# KiCad board CamTracker.kicad_pcb
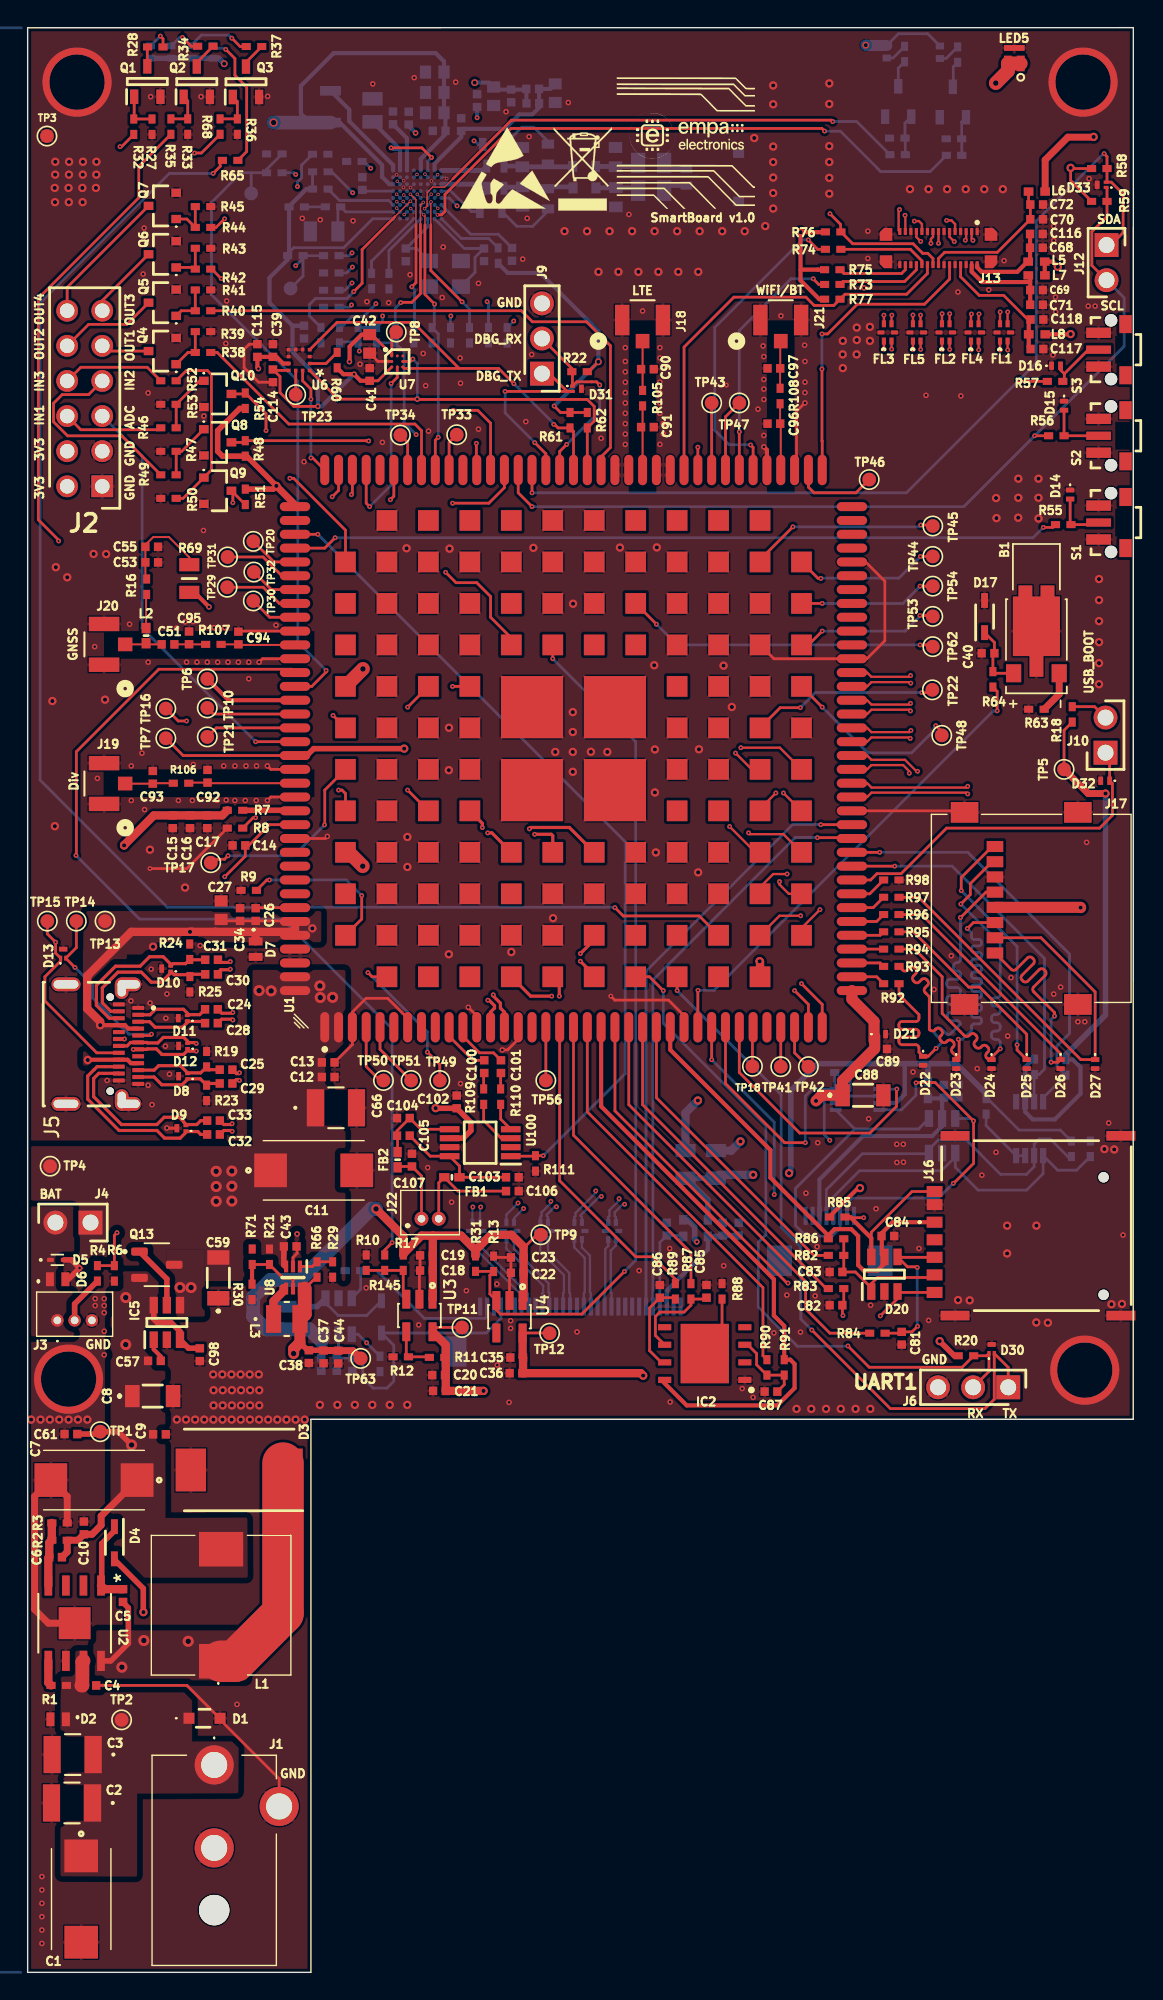
[diagram p0: board, top side]
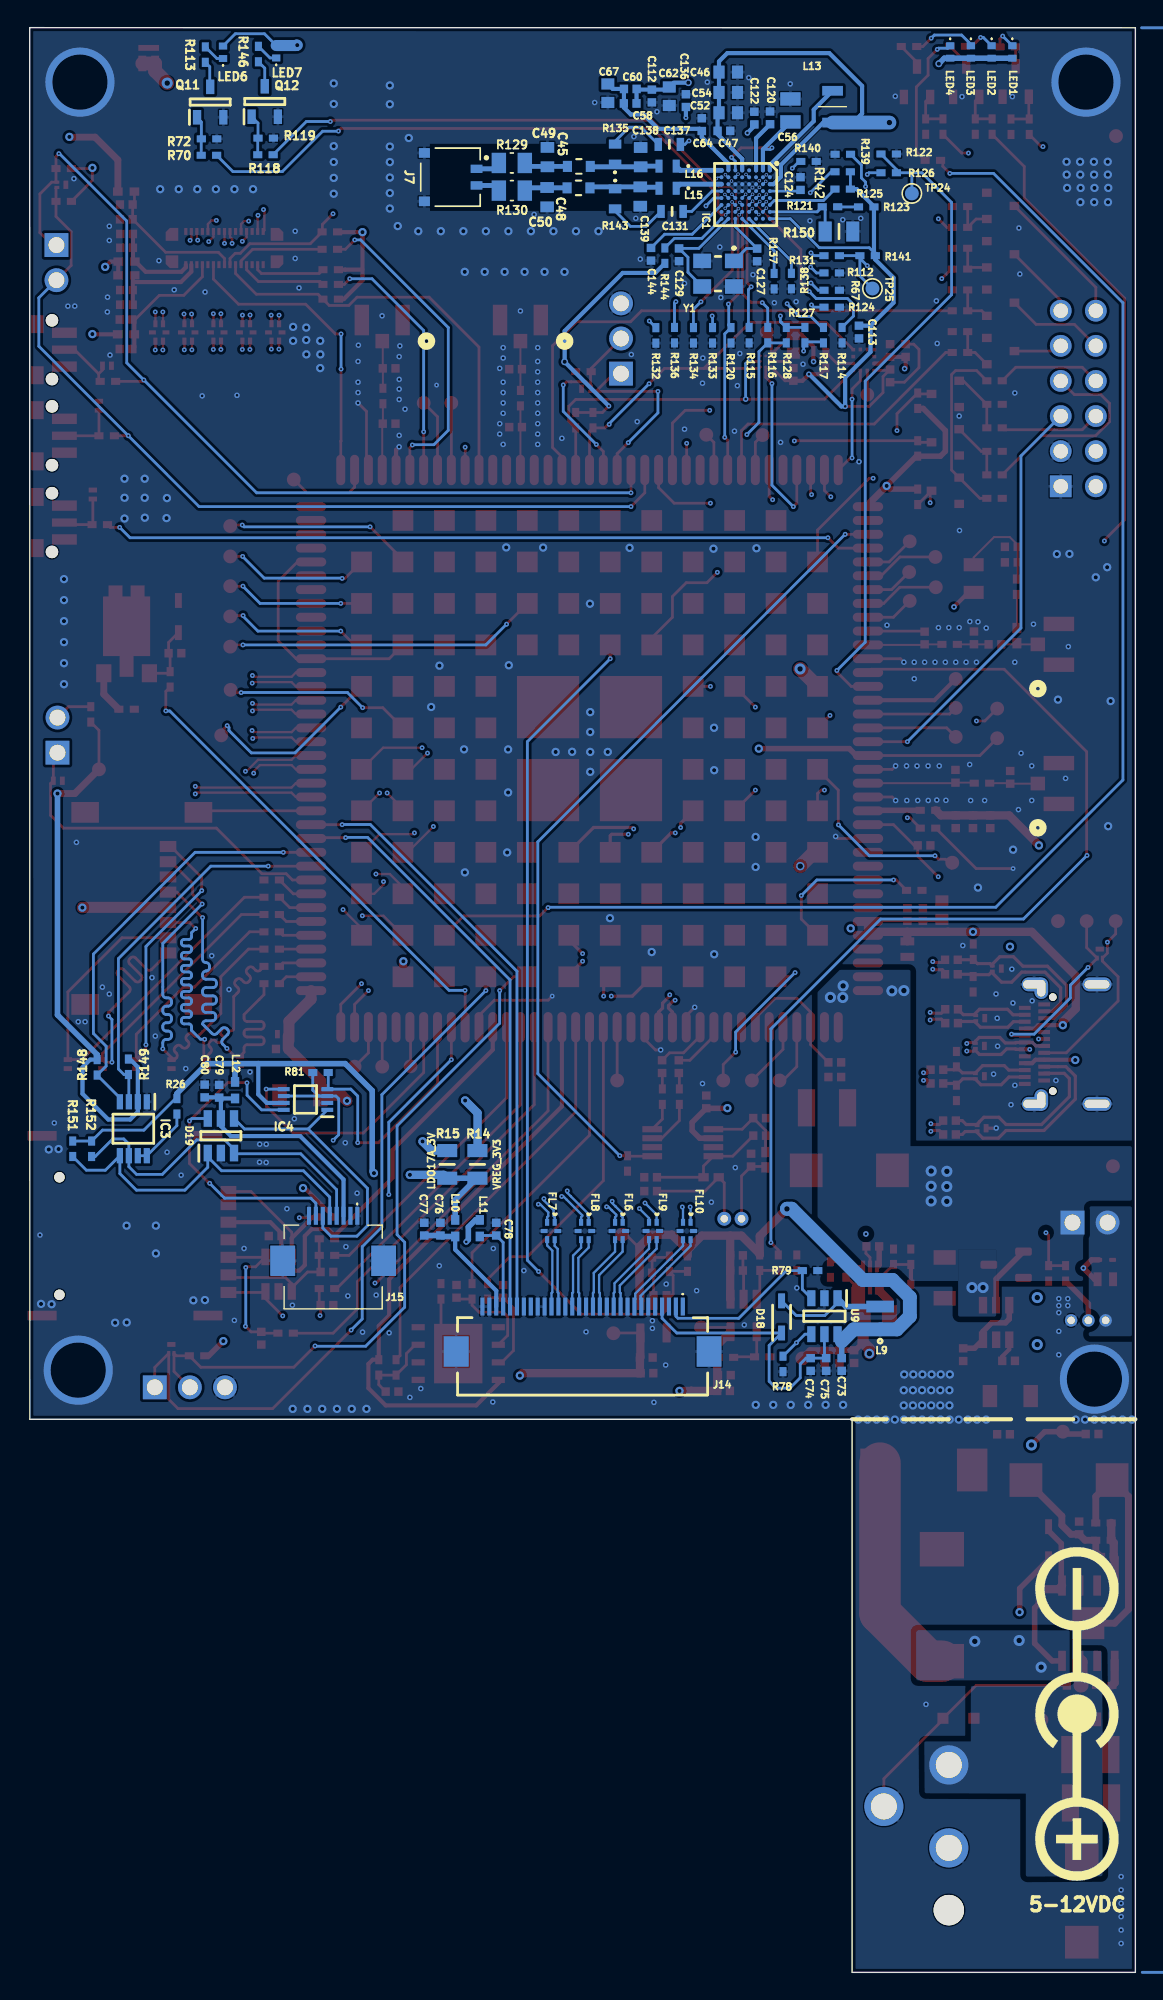
[diagram p1: board, bottom side, seen from below]

Outline 80.01 x 140.64 mm; copper layers: Top, GND1 (plane), Signal, GND2 (plane), PWR (plane), Bottom. Coordinates in mm from the lower left corner of the outline.
Outline path: 0,140.63 0,0 20.5,0 20.5,40 80,40 80.01,140.64 0,140.63
Stack: Top 0.035mm / dielectric 0.092mm 3313 RC57% 4.2mil er 4.1 / GND1 0.03mm / dielectric 0.3mm FR4 er 4.5 / Signal 0.03mm / dielectric 0.624mm 3x7628, RC 49%, 8.6 mil er 4.4 / GND2 0.03mm / dielectric 0.3mm FR4 er 4.5 / PWR 0.03mm / dielectric 0.092mm 3313 RC57% 4.2mil er 4.2 / Bottom 0.035mm

## Placement (name value [footprint] x y rotation side)
B1  HD-EMB1104-SM-2  [PUI_HD-EMB1104-SM-2]  73 95.9 90 top
C1  100uF 16V  [T495X]  3.88 5.3 270 top
C2  4.7uF 50V  [CAP_UMK325B7475MM-T_TAY]  3.21 12.25 180 top
C3  4.7uF 50V  [CAP_UMK325B7475MM-T_TAY]  3.26 15.75 180 top
C4  100nF 50V  [CAPC1005X55N]  4.5 20.75 0 top
C5  10nF 50V  [CAPC1005X55N]  6.9 27.25 270 top
C6  82pF 50V  [CAPC1005X55N]  2.02 30.03 180 top
C7  100uF 10V  [T495D]  4.8 35.6 180 top
C8  47uF 6.3V  [GRM31x]  9.05 41.68 0 top
C9  100nF 10V  [CAPC1005X55N]  9.54 38.91 0 top
C10  33pF 50V  [CAPC1005X55N]  4.07 32.14 90 top
C11  100uF 10V  [T495D]  20.7 58 0 top
C12  100nF 10V  [CAPC1005X55N]  21.75 64.75 0 top
C13  82pF 50V  [CAPC1005X55N]  21.75 65.81 0 top
C14  1nF 50V  [CAPC1005X55N]  15.29 81.5 0 top  (not fitted)
C15  22uF 6.3V  [CAPC1005X55N]  10.5 83.21 270 top
C16  1uF 50V  [CAPC1005X55N]  11.75 83.21 270 top
C17  33pF 50V  [CAPC1005X55N]  13 83.21 270 top
C18  1uF 50V  [CAPC1005X55N]  28.86 50.75 180 top
C19  100nF 10V  [CAPC1005X55N]  28.86 51.85 180 top
C20  1uF 50V  [CAPC1005X55N]  29.74 43.19 180 top
C21  100nF 10V  [CAPC1005X55N]  29.8 42.05 180 top
C22  1uF 50V  [CAPC1005X55N]  35.43 50.59 180 top
C23  100nF 10V  [CAPC1005X55N]  35.43 51.7 180 top
C24  220nF 10V  [CAPC1005X55N]  13.3 69.65 180 top
C25  330nF 10V  [CAPC1005X55N]  14.36 65.28 180 top
C26  100nF 10V  [CAPC1005X55N]  16.5 76.5 90 top
C27  4.7uF 10V  [CAPC1608X90N]  14 76.81 90 top
C28  220nF 10V  [CAPC1005X55N]  13.3 68.65 180 top
C29  330nF 10V  [CAPC1005X55N]  14.36 64.28 180 top
C30  330nF 10V  [CAPC1005X55N]  13.31 72.18 0 top
C31  330nF 10V  [CAPC1005X55N]  13.31 73.23 0 top
C32  220nF 10V  [CAPC1005X55N]  13.45 60.6 0 top
C33  220nF 10V  [CAPC1005X55N]  13.45 61.6 0 top
C34  1uF 50V  [CAPC1005X55N]  15.38 76.5 90 top
C35  1uF 50V  [CAPC1005X55N]  35.39 44.46 180 top
C36  100nF 10V  [CAPC1005X55N]  35.34 43.33 180 top
C37  1uF 50V  [CAPC1005X55N]  21.41 44.51 270 top
C38  100nF 10V  [CAPC1005X55N]  20.35 44.53 270 top
C39  100nF 10V  [CAPC1005X55N]  17.75 117.29 90 top
C40  1uF 50V  [CAPC1005X55N]  69.5 95.4 180 top
C41  1uF 50V  [CAPC1005X55N]  24.75 115.56 90 top
C42  4.7uF 10V  [CAPC1608X90N]  24.75 117.77 90 top
C43  10uF 6.3V  [CAPC1005X55N]  19 52.5 0 top
C44  10uF 6.3V  [CAPC1005X55N]  22.47 44.5 90 top
C45  47pF 50V  [CAP_CL10_SAM]  40.27 130.6 0 bottom
C46  4.7uF 10V  [CAPC1608X90N]  29.46 137.43 180 bottom
C47  1uF 50V  [CAPC1005X55N]  29.78 133.18 180 bottom
C48  47pF 50V  [CAP_CL10_SAM]  40.3 129.06 0 bottom
C49  200pF 50V  [CAPC1608X87N]  42.55 131.28 270 bottom
C50  200pF 50V  [CAPC1608X87N]  42.57 128.38 270 bottom
C51  100pF 50V  [CAPC1005X55N]  10.16 96.04 180 top
C52  4.7uF 10V  [CAPC1608X90N]  29.46 134.49 180 bottom
C53  1uF 50V  [CAPC1005X55N]  8.98 101.97 0 top
C54  4.7uF 10V  [CAPC1608X90N]  29.46 135.95 180 bottom
C55  100nF 10V  [CAPC1005X55N]  8.98 103.09 0 top
C56  22uF 25V  [CAPC2012X145N]  24.96 134.66 90 bottom
C57  100nF 10V  [CAPC1005X55N]  9.17 44.22 0 top
C58  220nF 10V  [CAPC1005X55N]  36.56 135.16 0 bottom
C59  47uF 6.3V  [GRM31x]  13.8 50.22 90 top
C60  100pF 50V  [CAPC1005X55N]  36.55 136.21 0 bottom
C61  22uF 6.3V  [CAPC1005X55N]  3.13 38.93 180 top
C62  4.7uF 10V  [CAPC1608X90N]  33.73 135.68 270 bottom
C64  100pF 50V  [CAPC1005X55N]  31.38 133.62 90 bottom
C66  4.7uF 50V  [CAP_UMK325B7475MM-T_TAY]  22.31 62.53 0 top
C67  4.7uF 10V  [CAPC1608X90N]  38.17 135.9 270 bottom
C68  4.7uF 6.3V  [CAPC1005X55N]  73 124.72 0 top
C69  100nF 10V  [CAPC1005X55N]  73.01 121.67 0 top
C70  1uF 50V  [CAPC1005X55N]  73.02 126.78 0 top
C71  4.7uF 6.3V  [CAPC1005X55N]  73.01 120.6 0 top
C72  100nF 10V  [CAPC1005X55N]  73.02 127.85 0 top
C73  1uF 50V  [CAPC1005X55N]  21.25 43.96 270 bottom
C74  1uF 50V  [CAPC1005X55N]  23.5 43.96 270 bottom
C75  1nF 50V  [CAPC1005X55N]  22.38 43.96 270 bottom
C76  4.7uF 6.3V  [CAPC1005X55N]  50.29 53.75 270 bottom
C77  100nF 10V  [CAPC1005X55N]  51.46 53.75 270 bottom
C78  1uF 50V  [CAPC1005X55N]  46.25 53.75 270 bottom
C79  4.7uF 6.3V  [CAPC1005X55N]  66.3 63.72 270 bottom
C80  100nF 10V  [CAPC1005X55N]  67.35 63.74 270 bottom
C81  22pF 50V  [CAPC1005X55N]  63.25 45.86 90 top
C82  22pF 50V  [CAPC1005X55N]  58.5 48.25 0 top
C83  22pF 50V  [CAPC1005X55N]  58.5 50.65 0 top
C84  100nF 10V  [CAPC1005X55N]  62.25 53.25 0 top
C85  22pF 50V  [CAPC1005X55N]  49.12 49.25 90 top
C86  22pF 50V  [CAPC1005X55N]  45.75 49.25 90 top
C87  22pF 50V  [CAPC1005X55N]  53.79 42 180 top
C88  47uF 6.3V  [GRM31x]  60.45 63.43 0 top
C89  33pF 50V  [CAPC1005X55N]  61.73 66.78 0 top
C90  33pF 50V  [CAPC1005X55N]  44.85 115.94 0 top  (not fitted)
C91  33pF 50V  [CAPC1005X55N]  44.85 111.75 0 top  (not fitted)
C92  33pF 50V  [CAPC1005X55N]  13.02 86.5 90 top  (not fitted)
C93  33pF 50V  [CAPC1005X55N]  9.06 86.42 90 top  (not fitted)
C94  33pF 50V  [CAPC1005X55N]  15.25 96.5 90 top  (not fitted)
C95  33pF 50V  [CAPC1005X55N]  11.68 96.51 90 top  (not fitted)
C96  33pF 50V  [CAPC1005X55N]  54 112 180 top  (not fitted)
C97  33pF 50V  [CAPC1005X55N]  54 116 180 top  (not fitted)
C98  22pF 50V  [CAPC1005X55N]  12.46 44.67 270 top
C100  10uF 6.3V  [CAPC1005X55N]  33.04 65.5 270 top
C101  10uF 6.3V  [CAPC1005X55N]  34.25 65.5 270 top
C102  22uF 6.3V  [CAPC1005X55N]  31.05 62.95 90 top
C103  33pF 50V  [CAPC1005X55N]  35.08 57.5 180 top
C104  33pF 50V  [CAPC1005X55N]  27.19 61.78 0 top
C105  100pF 50V  [CAPC1005X55N]  27.19 60.51 180 top
C106  33pF 50V  [CAPC1005X55N]  35.08 56.5 180 top
C107  33pF 50V  [CAPC1005X55N]  27.81 58.74 270 top
C112  100pF 50V  [CAPC1005X55N]  34.99 135.7 270 bottom
C113  100nF 10V  [CAPC1005X55N]  20 118.62 270 bottom
C114  100nF 10V  [CAPC1005X55N]  17.75 115.46 270 top
C115  10uF 6.3V  [CAPC1005X55N]  16.62 117.29 90 top
C116  100nF 10V  [CAPC1005X55N]  73 125.72 0 top
C117  100nF 10V  [CAPC1005X55N]  73.04 117.4 0 top
C118  1uF 50V  [CAPC1005X55N]  73.04 119.53 0 top
C120  220nF 10V  [CAPC1005X55N]  26.44 134.12 90 bottom
C122  100nF 10V  [CAPC1005X55N]  27.58 134.1 270 bottom
C124  220nF 10V  [CAPC1005X55N]  24.23 129.37 90 bottom
C127  10pF 50V  [CAPC1005X55N]  27.37 124.2 270 bottom
C129  10pF 50V  [CAPC1005X55N]  33.02 124.22 270 bottom
C131  1000pF 50V  [CAPC1608X80N]  33.53 127.35 0 bottom
C136  220nF 10V  [CAPC1005X55N]  32.53 135.36 90 bottom
C137  1000pF 50V  [CAPC1608X80N]  33.72 132.2 0 bottom
C138  750pF 50V  [CAPC1608X87N]  35.8 131.28 270 bottom
C139  750pF 50V  [CAPC1608X87N]  35.83 128.43 270 bottom
C144  100nF 10V  [CAPC1005X55N]  35.05 124.25 270 bottom
D1  SD12C.TCT  [SD12CTCT]  12.8 18.38 0 top
D2  SC1105-01UTG  [SC110501UTG]  2.21 18.3 180 top
D3  B550C-13-F  [DIOM7959X250N]  15.31 36.33 180 top
D4  B140WS-7  [SOD2513X120N]  6.28 31.07 270 top
D5  ESD9B5.0ST5G  [SODFL1006X40N]  2.15 51.53 0 top
D6  SC1105-01UTG  [SC110501UTG]  2.17 50.12 0 top
D7  SC1105-01UTG  [SC110501UTG]  16.5 74 270 top
D8  SP0402U-ULC-02ETG  [SESD0402Q2UG0020090]  11.25 64.81 90 top
D9  SP0402U-ULC-02ETG  [SESD0402Q2UG0020090]  11.12 61.05 90 top
D10  SP0402U-ULC-02ETG  [SESD0402Q2UG0020090]  10.03 72.59 90 top
D11  SP0402U-ULC-02ETG  [SESD0402Q2UG0020090]  11.22 69.01 90 top
D12  SP0402U-ULC-02ETG  [SESD0402Q2UG0020090]  11.25 67 90 top
D13  SP0402U-ULC-02ETG  [SESD0402Q2UG0020090]  2.58 73.67 0 top
D14  SC1205-01ETG  [SC120501ETG]  75.44 106.88 270 top
D15  SC1205-01ETG  [SC120501ETG]  75 113.3 270 top
D16  SC1205-01ETG  [SC120501ETG]  74.42 116.19 0 top
D17  B140WS-7  [SOD2513X120N]  69.25 98.05 90 top
D18  B140WS-7  [SOD2513X120N]  25.6 47.4 90 bottom
D19  SRV05-4.TCT  [SOT95P280X145-6N]  66.17 60.5 90 bottom
D20  SRV05-4.TCT  [SOT95P280X145-6N]  62 50.49 90 top
D21  SC1205-01ETG  [SC120501ETG]  61.76 67.85 0 top
D22  SC1205-01ETG  [SC120501ETG]  64.8 65.92 270 top
D23  SC1205-01ETG  [SC120501ETG]  67.2 65.68 270 top
D24  SC1205-01ETG  [SC120501ETG]  69.75 65.68 270 top
D25  SC1205-01ETG  [SC120501ETG]  72.3 65.68 270 top
D26  SC1205-01ETG  [SC120501ETG]  74.75 65.68 270 top
D27  SC1205-01ETG  [SC120501ETG]  77.25 65.68 270 top
D30  SP0402U-ULC-02ETG  [SESD0402Q2UG0020090]  69.76 45.09 0 top
D31  SP0402U-ULC-02ETG  [SESD0402Q2UG0020090]  39.75 114.53 270 top
D32  SC1205-01ETG  [SC120501ETG]  77.97 86.17 180 top
D33  SP0402U-ULC-02ETG  [SESD0402Q2UG0020090]  77.72 129.28 90 top
FB1  110Ohm 1200mA  [BEADC1005X55N]  30.7 57.5 180 top
FB2  110Ohm 1200mA  [BEADC1005X55N]  26.77 58.77 270 top
FL1  -  [LCFE121002A900TG]  70.64 118.59 0 top
FL2  -  [LCFE121002A900TG]  66.44 118.59 0 top
FL3  -  [LCFE121002A900TG]  62.24 118.59 0 top
FL4  -  [LCFE121002A900TG]  68.54 118.59 0 top
FL5  -  [LCFE121002A900TG]  64.34 118.59 0 top
FL6  -  [LCFE121002A900TG]  37.38 53.62 0 bottom
FL7  -  [LCFE121002A900TG]  42.29 53.62 0 bottom
FL8  -  [LCFE121002A900TG]  39.84 53.62 0 bottom
FL9  -  [LCFE121002A900TG]  34.92 53.62 0 bottom
FL10  -  [LCFE121002A900TG]  32.46 53.62 0 bottom
IC1  PN7220  [BGA64C50P8X8_450X450X90]  28.2 128.57 270 bottom
IC2  ST4SI2M0020TPIFW  [SON127P600X500X100-9N]  49 44.75 180 top
IC3  PCA9306DCTT  [SOP65P400X130-8N]  72.51 61.01 270 bottom
IC4  TXS0102DCUR  [SOP50P310X90-8N]  60.05 63.12 0 bottom
IC5  LM74700QDBVRQ1  [SOT95P280X145-6N]  10.08 47 90 top
J1  PJ-059A  [PJ059A]  13.5 15 90 top
J2  10-89-7121  [HDRV12W87P254X254_2X6]  5.4 107.47 90 top
J3  53047-0310  [530470310]  2.15 47.15 180 top
J4  67996-100HLF  [HDRV2W67P254_2X1_254X483X858P]  4.55 54.22 90 top
J5  USB4080-03-A  [GCT_USB4080-03-A_REVA]  7.33 67.13 270 top
J6  22-28-4034  [HDRV3W66P0X254_1X3_762X249X1042P]  70.96 42.31 180 top
J7  -  [BM02B-ACHSS-GAN-TF]  49.56 129.83 270 bottom
J9  22-28-4034  [HDRV3W66P0X254_1X3_762X249X1042P]  37.22 115.62 90 top
J10  67996-100HLF  [HDRV2W67P254_2X1_254X483X858P]  78 88.2 0 top
J12  67996-100HLF  [HDRV2W67P254_2X1_254X483X858P]  78.07 124.92 180 top
J13  YXT-BB10-30S-02  [YXT_YXT-BB10-30S-02]  65.91 124.7 180 top
J14  FH12S-30S-0.5SH_55_  [FH12S30S05SH55]  40 46 0 bottom
J15  FH12-8S-0.5SH_55_  [FH128S05SH55]  58.05 51.35 180 bottom
J16  SIM8066-6-1-14-01-A  [SIM8066611401A]  73 54 90 top
J17  MEM2067-02-180-00-A  [MEM20670218000A]  67.8 76.94 270 top
J18  636101112001  [COAX2_636101112001_WRE]  44.5 119.5 0 top
J19  636101112001  [COAX2_636101112001_WRE]  5.53 85.98 90 top
J20  636101112001  [COAX2_636101112001_WRE]  5.53 96.04 90 top
J21  636101112001  [COAX2_636101112001_WRE]  54.5 119.5 0 top
J22  53047-0210  [530470210]  28.5 54.5 180 top
L1  NS10155T150MNA  [NS10165T220MNA]  14 26.55 90 top
L2  56nH  [INDC1005X60N]  8.57 96.67 270 top
L3  1uH 2.2A  [IND_WE-LQS_2512_WRE]  18.75 47.25 0 top
L5  600ohm 100MHz  [0402]  73 123.72 0 top
L6  70ohm 100MHz  [0402]  73.03 128.78 0 top
L7  600ohm 100MHz  [0402]  73.01 122.73 0 top
L8  600ohm 100MHz  [0402]  73.04 118.46 0 top
L9  22uH 1.364ohm 0.46A  [VLS2520]  18.47 47.33 90 bottom
L10  600ohm 100MHz  [0402]  49.22 53.82 270 bottom
L11  600ohm 100MHz  [0402]  47.44 53.82 270 bottom
L12  600ohm 100MHz  [0402]  65.15 63.8 270 bottom
L13  1.0uH 1.6A  [LQM2HPN1R0MG0L]  21.91 134.93 270 bottom
L15  160nH 1A  [LQW18CNR16J00D]  33.85 129.03 0 bottom
L16  160nH 1A  [LQW18CNR16J00D]  33.85 130.62 0 bottom
LED1  SML-P11VTT86R  [SMLP11VTT86R]  8.9 138.88 0 bottom
LED2  SML-P11YTT86R  [SMLP11VTT86R]  10.4 138.88 0 bottom
LED3  SML-P11DTT86R  [SMLP11VTT86R]  11.9 138.88 0 bottom
LED4  SML-P11VTT86R  [SMLP11VTT86R]  13.4 138.88 0 bottom
LED5  -  [LTPL-C0676WPGB]  71.36 138.05 90 top
LED6  SML-P11VTT86R  [SMLP11VTT86R]  66.02 138.86 180 bottom
LED7  SML-P11YTT86R  [SMLP11VTT86R]  62.17 138.9 180 bottom
Q1  BC847C,215  [SOT95P230X110-3N]  8.66 136.75 90 top
Q2  BC847C,215  [SOT95P230X110-3N]  12.24 136.74 90 top
Q3  BC847C,215  [SOT95P230X110-3N]  15.8 136.72 90 top
Q4  BC817-40,215  [BC81740215]  9.75 117.25 90 top
Q5  BC817-40,215  [BC81740215]  9.75 120.75 90 top
Q6  BC817-40,215  [BC81740215]  9.75 124.25 90 top
Q7  BC817-40,215  [BC81740215]  9.75 127.75 90 top
Q8  BC817-40,215  [BC81740215]  13.75 110.65 270 top
Q9  BC817-40,215  [BC81740215]  13.75 107.15 270 top
Q10  BC817-40,215  [BC81740215]  13.75 114.15 270 top
Q11  BC847C,215  [SOT95P230X110-3N]  66.95 135.26 90 bottom
Q12  BC847C,215  [SOT95P230X110-3N]  63 135.3 90 bottom
Q13  AO3400A  [SOT95P280X125-3N]  9.35 51.17 0 top
R1  100K  [RC0402N_YAG]  2.25 20.75 180 top
R2  100K  [RC0402N_YAG]  2.31 31.25 180 top
R3  43K  [RC0402N_YAG]  2.31 32.5 0 top
R4  0R  [RC0402N_YAG]  5.05 50.55 90 top
R6  47K  [RC0402N_YAG]  6.28 50.55 270 top
R7  0R  [RC0402N_YAG]  15.01 84.04 180 top
R8  0R  [RC0402N_YAG]  15.01 82.75 180 top
R9  0R  [RC0402N_YAG]  16 78.25 180 top  (not fitted)
R10  10K  [RC0402N_YAG]  24.5 51.32 90 top
R11  147K  [RC0402N_YAG]  29.63 44.47 180 top
R12  47K  [RC0402N_YAG]  27 44.51 180 top
R13  10K  [RC0402N_YAG]  33.72 51.24 90 top
R14  0R  [RESC2012X50N]  47.61 58.43 270 bottom
R15  0R  [RESC2012X50N]  49.8 58.43 270 bottom  (not fitted)
R16  10R  [RC0402N_YAG]  8.61 100.21 90 top
R17  10K  [RC0402N_YAG]  27.18 51.32 270 top  (not fitted)
R18  10K  [RC0402N_YAG]  75.59 90.97 270 top
R19  220K  [RC0402N_YAG]  12.95 66.04 90 top
R20  10K  [RC0402N_YAG]  67.9 44.59 0 top  (not fitted)
R21  10K  [RC0402N_YAG]  17.5 51.75 270 top  (not fitted)
R22  10K  [RC0402N_YAG]  39.94 115.76 180 top  (not fitted)
R23  220K  [RC0402N_YAG]  12.95 63.6 270 top
R24  220K  [RC0402N_YAG]  11.73 73.81 270 top
R25  220K  [RC0402N_YAG]  11.74 71.46 90 top
R26  200K  [RC0402N_YAG]  69.36 62.63 270 bottom
R27  10K  [RC0402N_YAG]  9 133.47 90 top
R28  1K  [RC0402N_YAG]  9.24 139.25 180 top
R29  44K2  [RC0402N_YAG]  22.07 50.83 270 top
R30  10K  [RC0402N_YAG]  16.24 49.21 270 top
R31  10K  [RC0402N_YAG]  32.41 51.25 270 top  (not fitted)
R32  10K  [RC0402N_YAG]  7.68 133.47 270 top
R33  10K  [RC0402N_YAG]  11.58 133.48 90 top
R34  1K  [RC0402N_YAG]  12.86 139.3 0 top
R35  10K  [RC0402N_YAG]  10.36 133.48 270 top
R36  10K  [RC0402N_YAG]  15.17 133.48 90 top
R37  1K  [RC0402N_YAG]  16.38 139.28 0 top
R38  1K  [RC0402N_YAG]  12.69 117.15 0 top
R39  10K  [RC0402N_YAG]  12.69 118.66 180 top
R40  1K  [RC0402N_YAG]  12.69 120.16 0 top
R41  10K  [RC0402N_YAG]  12.69 121.67 180 top
R42  1K  [RC0402N_YAG]  12.69 123.18 0 top
R43  10K  [RC0402N_YAG]  12.69 124.69 180 top
R44  1K  [RC0402N_YAG]  12.69 126.19 0 top
R45  10K  [RC0402N_YAG]  12.69 127.7 180 top
R46  10K  [RC0402N_YAG]  10.19 111.7 180 top
R47  10K  [RC0402N_YAG]  10.19 110 0 top
R48  10K  [RC0402N_YAG]  15.75 110.21 90 top
R49  10K  [RC0402N_YAG]  10.19 108.3 180 top
R50  10K  [RC0402N_YAG]  10.19 106.6 0 top
R51  10K  [RC0402N_YAG]  15.75 106.71 270 top
R52  10K  [RC0402N_YAG]  10.19 115.1 180 top
R53  10K  [RC0402N_YAG]  10.19 113.4 0 top
R54  10K  [RC0402N_YAG]  15.75 113.66 90 top
R55  1K  [RC0402N_YAG]  74.94 104.7 0 top
R56  1K  [RC0402N_YAG]  74.44 111.12 0 top
R57  1K  [RC0402N_YAG]  74.35 115.06 0 top
R58  10K  [RC0402N_YAG]  77.55 130.45 0 top  (not fitted)
R59  10K  [RC0402N_YAG]  77.55 128.07 0 top  (not fitted)
R60  33R  [RC0402N_YAG]  22.4 116.6 270 top
R61  2K2  [RC0402N_YAG]  39.25 112.25 90 top
R62  2K2  [RC0402N_YAG]  40.5 112.25 90 top
R63  0R  [RC0402N_YAG]  73 91.35 180 top
R64  0R  [RC0402N_YAG]  69.85 93.51 270 top
R65  2K2  [RC0402N_YAG]  14.66 131.04 180 top
R66  200K  [RC0402N_YAG]  20.94 50.83 90 top
R67  10K  [RC0402N_YAG]  21.97 121.65 180 bottom
R68  10K  [RC0402N_YAG]  13.92 133.48 270 top
R69  0R  [RESC2012X50N]  11.7 100.8 90 top
R70  10K  [RC0402N_YAG]  67.04 131.41 180 bottom
R71  0R  [RC0402N_YAG]  16.25 51.75 90 top
R72  10K  [RC0402N_YAG]  67.03 132.6 0 bottom
R73  0R  [RC0402N_YAG]  58.23 122.07 180 top
R74  0R  [RC0402N_YAG]  58.29 124.61 180 top
R75  10K  [RC0402N_YAG]  58.23 123.14 0 top
R76  2K2  [RC0402N_YAG]  58.29 125.87 180 top
R77  2K2  [RC0402N_YAG]  58.23 121 180 top
R78  10K  [RC0402N_YAG]  25.5 44 270 bottom
R79  2R4  [RC0402N_YAG]  23.54 50.75 180 bottom
R81  4K7  [RC0402N_YAG]  58.97 65.08 180 bottom  (not fitted)
R82  22R  [RC0402N_YAG]  58.5 51.85 180 top
R83  22R  [RC0402N_YAG]  58.5 49.45 180 top
R84  22R  [RC0402N_YAG]  61.49 46.22 180 top
R85  100K  [RC0402N_YAG]  58.59 54.62 0 top
R86  10K  [RC0402N_YAG]  58.5 53.05 0 top
R87  22R  [RC0402N_YAG]  48 49.25 90 top
R88  0R  [RC0402N_YAG]  50.25 49.25 270 top
R89  22R  [RC0402N_YAG]  46.88 49.25 90 top
R90  22R  [RC0402N_YAG]  53.5 43.75 90 top
R91  10K  [RC0402N_YAG]  54.75 43.75 90 top
R92  33R  [RC0402N_YAG]  62.5 71.5 180 top
R93  33R  [RC0402N_YAG]  62.5 72.75 180 top
R94  33R  [RC0402N_YAG]  62.5 74 180 top
R95  33R  [RC0402N_YAG]  62.5 75.25 180 top
R96  33R  [RC0402N_YAG]  62.5 76.5 180 top
R97  33R  [RC0402N_YAG]  62.5 77.75 180 top
R98  1K  [RC0402N_YAG]  62.5 79 0 top
R105  0R  [RC0402N_YAG]  44.5 113.85 270 top
R106  0R  [RC0402N_YAG]  11.1 86 0 top
R107  0R  [RC0402N_YAG]  13.44 96.04 0 top
R108  0R  [RC0402N_YAG]  54.45 114 270 top
R109  10K  [RC0402N_YAG]  33 63.33 90 top
R110  10K  [RC0402N_YAG]  34.23 63.33 90 top
R111  10K  [RC0402N_YAG]  36.75 58.5 270 top
R112  10K  [RC0402N_YAG]  21.97 122.9 180 bottom
R113  1K  [RC0402N_YAG]  67.3 138.69 270 bottom
R114  0R  [RC0402N_YAG]  21.22 118.4 270 bottom
R115  0R  [RC0402N_YAG]  27.95 118.4 270 bottom
R116  0R  [RC0402N_YAG]  26.61 118.4 270 bottom
R117  0R  [RC0402N_YAG]  22.57 118.4 270 bottom
R118  10K  [RC0402N_YAG]  62.95 131.45 180 bottom
R119  10K  [RC0402N_YAG]  62.93 132.65 0 bottom
R120  10K  [RC0402N_YAG]  29.26 118.39 90 bottom
R121  0R  [RC0402N_YAG]  22.1 127.69 180 bottom
R122  10K  [RC0402N_YAG]  17.85 131.5 180 bottom
R123  10K  [RC0402N_YAG]  19.47 127.67 180 bottom
R124  10K  [RC0402N_YAG]  21.97 120.42 180 bottom
R125  10K  [RC0402N_YAG]  21.18 128.97 0 bottom
R126  0R  [RC0402N_YAG]  17.85 130.15 180 bottom
R127  2K2  [RC0402N_YAG]  23.92 118.4 90 bottom
R128  2K2  [RC0402N_YAG]  25.26 118.4 90 bottom
R129  0.02R 1/4W  [RESC2012X70N]  45.12 130.85 180 bottom
R130  0.02R 1/4W  [RESC2012X70N]  45.12 128.85 180 bottom
R131  0R  [RC0402N_YAG]  21.97 124.15 180 bottom
R132  10K  [RC0402N_YAG]  34.7 118.38 270 bottom
R133  10K  [RC0402N_YAG]  30.6 118.39 270 bottom
R134  10K  [RC0402N_YAG]  31.98 118.39 270 bottom
R135  1K5  [ERJ3EKF1000V]  37.65 131.5 90 bottom  (not fitted)
R136  10K  [RC0402N_YAG]  33.35 118.4 270 bottom
R137  10K  [RC0402N_YAG]  26.14 122.31 270 bottom
R138  10K  [RC0402N_YAG]  24.89 122.31 270 bottom
R139  10K  [RC0402N_YAG]  21.17 131.49 0 bottom
R140  10K  [RC0402N_YAG]  23.65 130.97 180 bottom
R141  10K  [RC0402N_YAG]  19.38 124.15 0 bottom
R142  10K  [RC0402N_YAG]  21.18 130.22 0 bottom
R143  1K5  [ERJ3EKF1000V]  37.65 128.26 270 bottom  (not fitted)
R144  10K  [RC0402N_YAG]  34.05 124.15 90 bottom
R145  0R  [RC0402N_YAG]  25.84 51.32 90 top
R146  1K  [RC0402N_YAG]  63.46 138.73 270 bottom
R148  2K2  [RC0402N_YAG]  75.13 65.45 270 bottom
R149  2K2  [RC0402N_YAG]  72.87 65.49 270 bottom
R150  0R  [RESC2012X50N]  21.45 125.9 0 bottom  (not fitted)
R151  2K2  [RC0402N_YAG]  76.9 59.56 270 bottom
R152  2K2  [RC0402N_YAG]  75.53 59.56 270 bottom
REF**  -  [ESD-Logo_6.6x6mm_SilkScreen]  34.55 130.51 0 top
REF**#2  -  [WEEE-Logo_4.2x6mm_SilkScreen]  40.17 130.43 0 top
REF**#3  -  [Polarity_Center_Positive_6mm_SilkScreen]  4.23 18.69 270 bottom
S1  -  [436333033816]  78.4 104.85 90 top
S2  -  [436333033816]  78.4 111.12 90 top
S3  -  [436333033816]  78.4 117.35 90 top
SmartBoard v1.0  LOGO  [empa]  47.63 132.54 0 top
TP1  4.06V  [TestPoint_Pad_D1.0mm]  5.25 39.1 0 top
TP2  4.06V  [TestPoint_Pad_D1.0mm]  6.8 18.26 0 top
TP3  Sens_P  [TestPoint_Pad_D1.0mm]  1.4 132.8 180 top
TP4  VBAT  [TestPoint_Pad_D1.0mm]  1.62 58.3 180 top
TP5  LDO15A_1V8  [TestPoint_Pad_D1.0mm]  75 87 90 top
TP6  LDO_IOVDD  [TestPoint_Pad_D1.0mm]  13 93.54 90 top
TP7  VDD_2V8  [TestPoint_Pad_D1.0mm]  10 89.25 90 top
TP8  LDO17A_3V0  [TestPoint_Pad_D1.0mm]  26.67 118.62 0 top
TP9  VPH_PWR  [TestPoint_Pad_D1.0mm]  37.14 53.34 270 top
TP10  VRTC  [TestPoint_Pad_D1.0mm]  13 91.44 180 top
TP11  Sens_P  [TestPoint_Pad_D1.0mm]  31.43 46.64 0 top
TP12  Sens_P  [TestPoint_Pad_D1.0mm]  37.77 46.22 0 top
TP13  Sens_M  [TestPoint_Pad_D1.0mm]  5.6 76.03 180 top
TP14  Sens_M  [TestPoint_Pad_D1.0mm]  3.52 76.03 0 top
TP15  Sens_M  [TestPoint_Pad_D1.0mm]  1.42 76.03 180 top
TP16  Sens_M  [TestPoint_Pad_D1.0mm]  10 91.39 90 top
TP17  Sens_M  [TestPoint_Pad_D1.0mm]  13.25 80.25 90 top
TP18  Sens_M  [TestPoint_Pad_D1.0mm]  52.45 65.53 0 top
TP20  Sens_M  [TestPoint_Pad_D1.0mm]  16.33 103.49 90 top
TP21  Sens_M  [TestPoint_Pad_D1.0mm]  13 89.35 90 top
TP22  Sens_M  [TestPoint_Pad_D1.0mm]  65.47 92.75 90 top
TP23  Sens_M  [TestPoint_Pad_D1.0mm]  19.4 114.1 180 top
TP24  Sens_M  [TestPoint_Pad_D1.0mm]  16.17 128.65 90 bottom
TP25  Sens_M  [TestPoint_Pad_D1.0mm]  19.03 121.78 270 bottom
TP29  Sens_M  [TestPoint_Pad_D1.0mm]  14.44 100.17 90 top
TP30  Sens_M  [TestPoint_Pad_D1.0mm]  16.33 99.18 270 top
TP31  Sens_M  [TestPoint_Pad_D1.0mm]  14.47 102.36 90 top
TP32  Sens_M  [TestPoint_Pad_D1.0mm]  16.37 101.27 90 top
TP33  Sens_M  [TestPoint_Pad_D1.0mm]  31.05 111.2 0 top
TP34  Sens_M  [TestPoint_Pad_D1.0mm]  26.97 111.17 0 top
TP41  Sens_M  [TestPoint_Pad_D1.0mm]  54.5 65.5 90 top
TP42  Sens_M  [TestPoint_Pad_D1.0mm]  56.5 65.5 90 top
TP43  VBAT  [TestPoint_Pad_D1.0mm]  49.5 113.5 0 top
TP44  VBAT  [TestPoint_Pad_D1.0mm]  65.5 102.4 0 top